# Altium PCB PCB1.PcbDoc
Units mil, origin at the board's own origin, x right, y up, seen from the top; angles counter-clockwise.
Board outline 3937.01 x 3937.01 mil, 2 copper layers (Top Layer, Bottom Layer); 17 components, 19 nets, 99 pads, 0 vias.
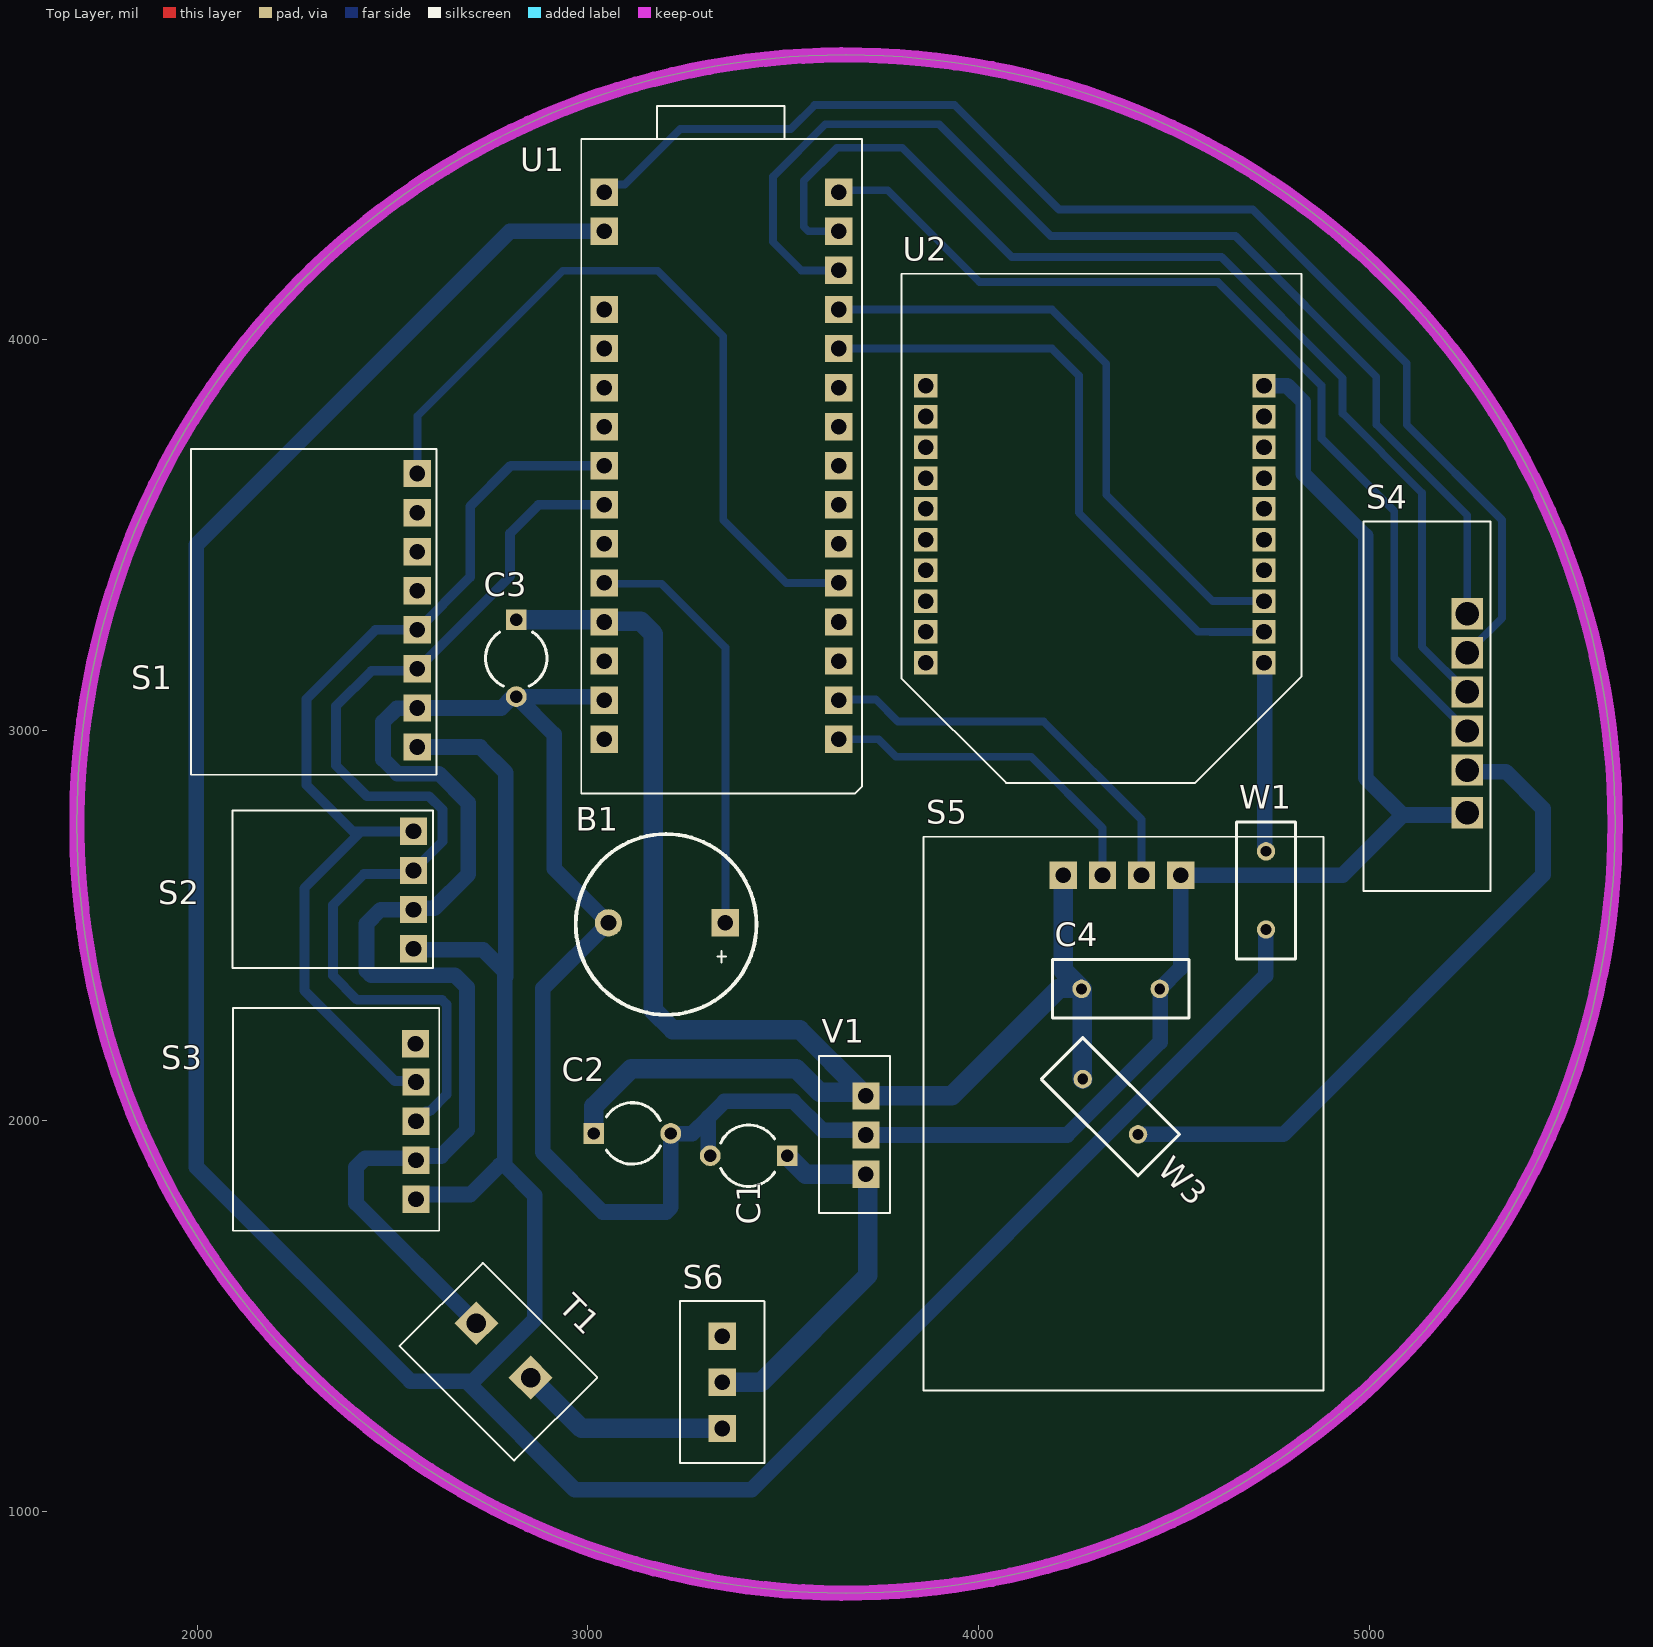
[diagram p0: Top Layer view]
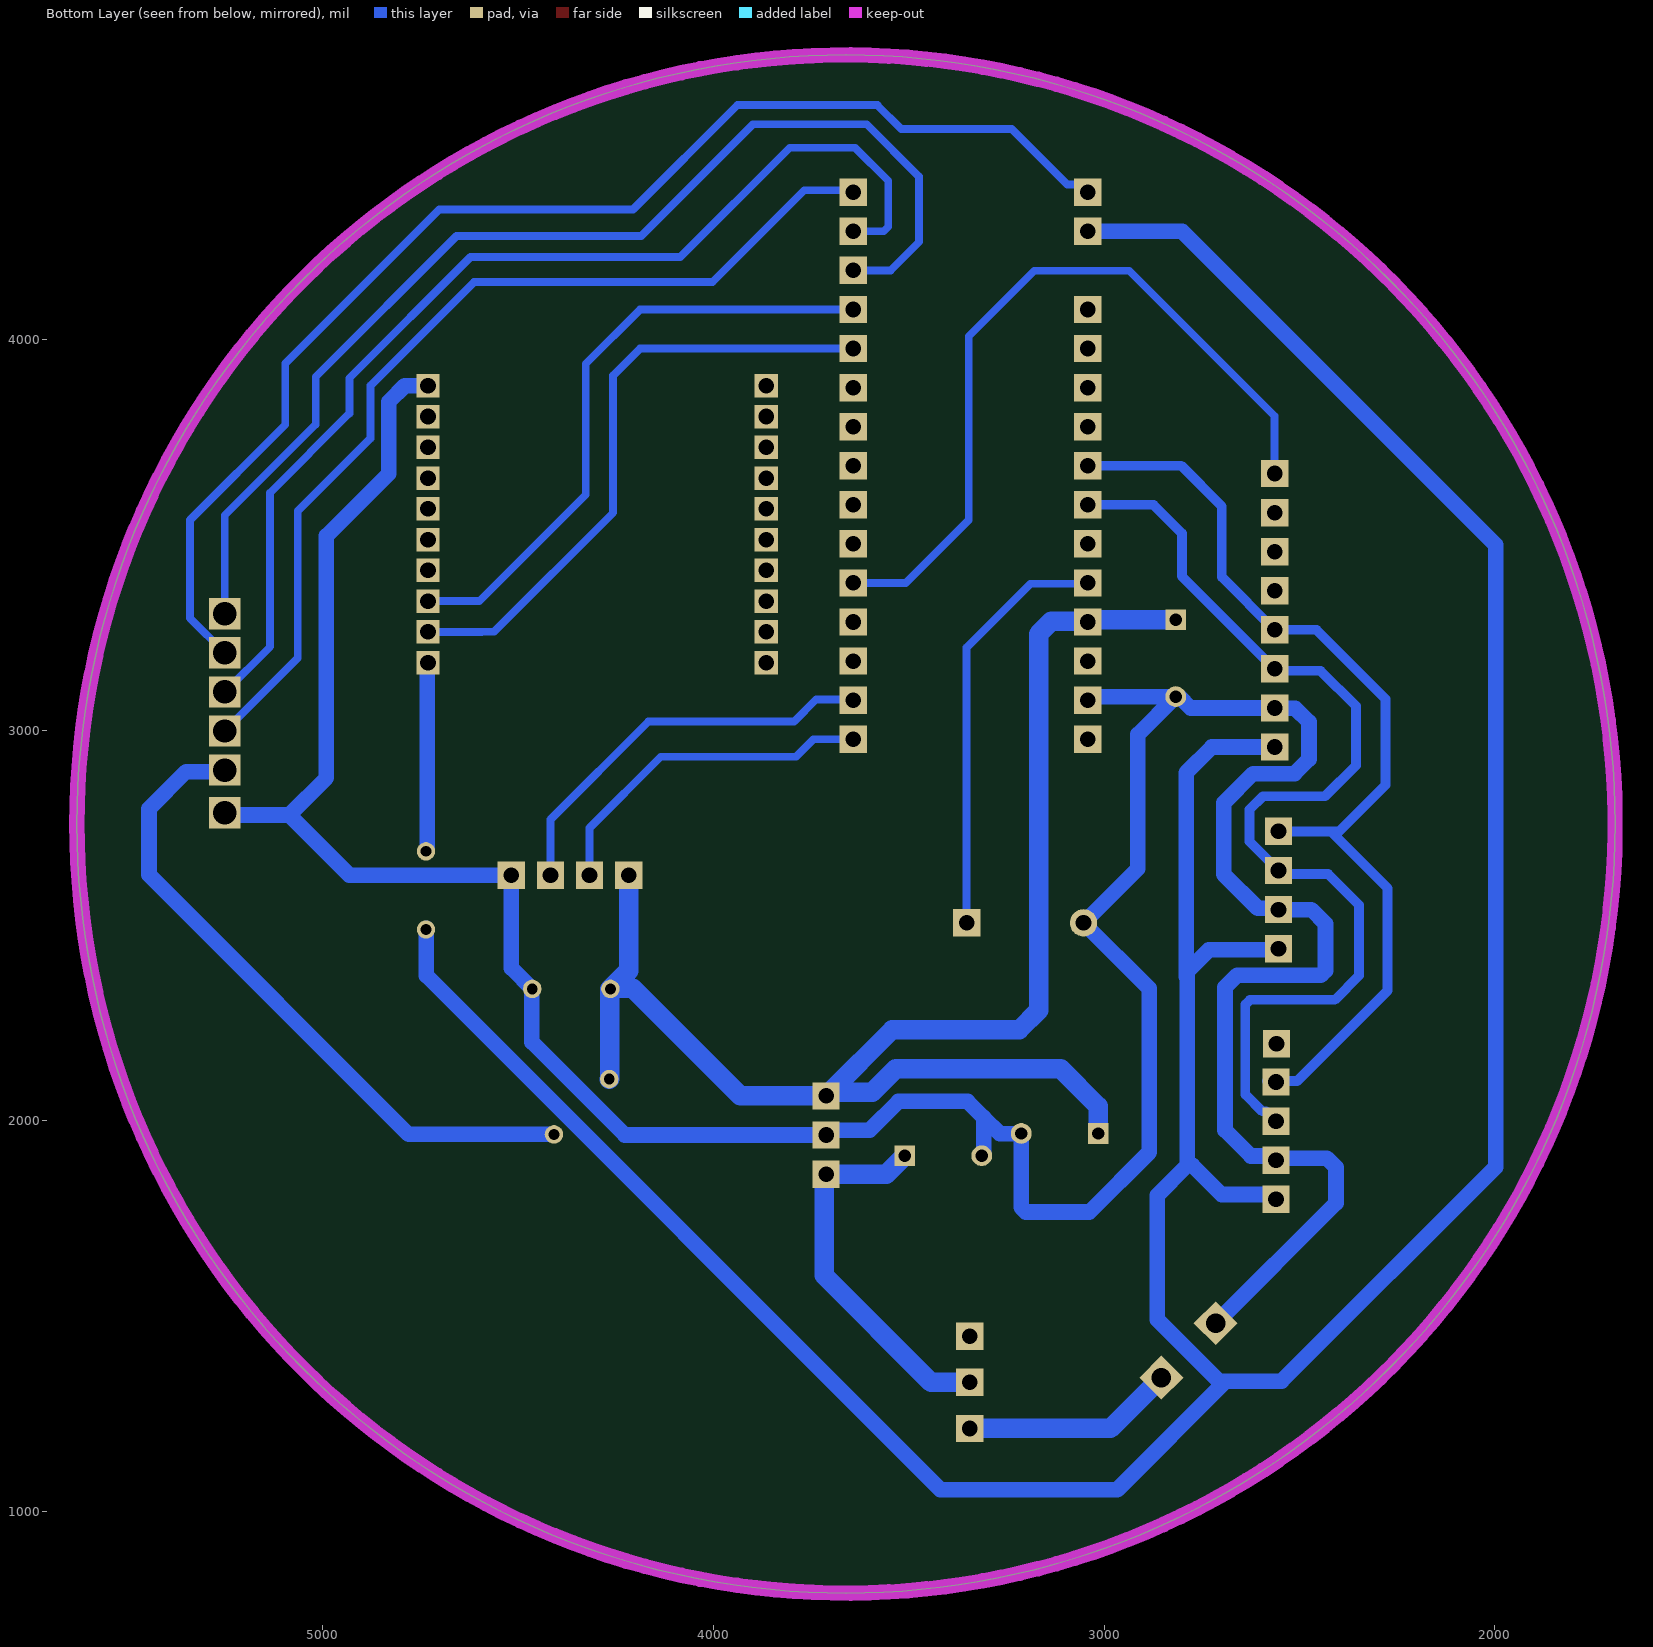
[diagram p1: Bottom Layer view, seen from below]

## Layer stack, top to bottom
Top Solder: solder mask 0.4, Solder Resist, Dk 3.5
Top Layer: signal copper 1.4
Dielectric 1: dielectric 12.6, FR-4, Dk 4.8
Bottom Layer: signal copper 1.4
Bottom Solder: solder mask 0.4, Solder Resist, Dk 3.5

## Board outline
1692.5,2760 ccw(c3661,2760) 3661,791.5 ccw(c3661,2760) 5629.5,2760 ccw(c3661,2760) 3661,4728.5 ccw(c3661,2760)

## Design rules (kind name [scope] priority, off if disabled: settings)
Clearance [All] p1: gap=10 ignorepadtopadclearanceinfootprint=FALSE except(0: Arc-THPad Arc-Hole Track-THPad Track-Hole SMDPad-Hole THPad-Hole Via-Hole Fill-Hole Poly-Hole Region-Hole Text-Hole)
Height [All] p1: minheight=0 maxheight=2000 prefheight=500
PolygonConnect [All] p1: connectstyle=Relief reliefconductorwidth=10 reliefentries=4 polygonreliefangle="90 Angle" airgapwidth=10
RoutingVias [All] p1: holewidth=28 width=50 viastyle="Through Hole" minholewidth=28 minwidth=50 maxholewidth=28 maxwidth=50
SolderMaskExpansion [All] p1: expansion=4 istentingtop=FALSE
Width [All] p1: maxlimit=50 minlimit=10 preferedwidth=20 minimp=50.000000 maximp=50.000000 favimp=50.000000
29 further rules are at their usual default settings.

## Components (designator, comment, footprint, x,y, rotation, side; value= is the part's Value field where it differs from the comment)
B1 "Buzzer" BUZZER 3352.21,2507.98 r180 top
C1 "Cap2" CAPR5-4X5 3412,1911 r180 top value=100pF
C2 "Cap2" CAPR5-4X5 3114,1968 r0 top value=100uF
C3 "Cap2" CAPR5-4X5 2817,3184.43 r270 top value=100pF
C4 "Cap" RAD-0.2 4364,2338 r0 top value=100pF
S1 "MPU6050" MPU6050 2558.59,3360.43 r270 top
S2 "BMP180" BMP180 2735,2420 r90 top
S3 "HMC5883L" HMC5883L 2504,1825 r180 top
S4 "SD Card Module" "SD CARD MODULE" 5249,3053 r0 top
S5 "GPS NEO M8N" "GPS NEO M8N" 4371,2503 r0 top
S6 "Switch" Switch 3344,1212.89 r90 top
T1 "Terminal Block 2 pin" "Terminal Block 2 pin" 2856.78,1344.39 r135 top
U1 "Arduino Nano" "ARDUINO NANO V3" 3330.39,4133.5 r0 top
U2 "Xbee Pro" Xbee 4106,3377 r180 top
V1 "LM7805" "LM7805 Voltage Regulator" 3712,1864 r90 top
W1 "Jumper" RAD-0.2 4736,2590 r90 top
W3 "Jumper" RAD-0.2 4337.71,2036.29 r315 top

## Footprints (in the part's own frame and the unit in brackets; to place one, negate y for a bottom-side part, rotate by r counter-clockwise, add the part's x,y. Pads: shape width x height; smd on the part's side, far side on the other; paste and mask are expansions set on the pad)
"ARDUINO NANO V3" [mil] "Arduino Nano v3"
  rect 70x70 hole 40: 1(-288.39,243.5) 2(-288.39,143.5) 4(-288.39,-56.5) 5(-288.39,-156.5) 6(-288.39,-256.5) 7(-288.39,-356.5) 8(-288.39,-456.5) 9(-288.39,-556.5) 10(-288.39,-656.5) 11(-288.39,-756.5) 12(-288.39,-856.5) 13(-288.39,-956.5) 14(-288.39,-1056.5) 15(-288.39,-1156.5) 16(311.61,-1156.5) 17(311.61,-1056.5) 18(311.61,-956.5) 19(311.61,-856.5) 20(311.61,-756.5) 21(311.61,-656.5) 22(311.61,-556.5) 23(311.61,-456.5) 24(311.61,-356.5) 25(311.61,-256.5) 26(311.61,-156.5) 27(311.61,-56.5) 28(311.61,43.5) 29(311.61,143.5) 30(311.61,243.5)
  rect 1x1 hole 1: 3(-288.39,6.5)
  silkscreen extent -347,-1295 371,464, body extent -347,-1305 360,464, height 850
BMP180 [mil] "BMP180 PCB"
  rect 70x70 hole 40: 1(21,181) 2(121,181) 3(221,181) 4(321,181)
  silkscreen extent -29,131 375,644, body extent -31,135 379,640, height 572
BUZZER [mil]
  rect 70x70 hole 40: 1(0,0.98)
  round 70 hole 40: 2(299.21,0.98)
  silkscreen extent -80,-226 383,236, body extent -81,-233 392,239, height 374
CAPR5-4X5 [mm] "Capacitor; 2 Leads"
  rect 1.35x1.35 hole 0.8: 1(-2.5,0)
  round 1.35 hole 0.8: 2(2.5,0)
  silkscreen extent -1.69,-2 1.82,2, body extent -2.64,-2.37 2.37,2.63, height 11.01
"GPS NEO M8N" [mil] "GPS NEO M8N"
  rect 70x70 hole 40: 1(-153.54,125.98) 2(-53.54,125.98) 3(46.46,125.98) 4(146.46,125.98)
  silkscreen extent -512,-1193 512,224, body extent -509,-1191 508,222, height 571
HMC5883L [mil]
  rect 70x70 hole 40: 1(-56.54,25.43) 2(-56.54,-74.57) 3(-56.54,-174.57) 4(-56.54,-274.57) 5(-55,-373)
  silkscreen extent -116,-464 412,106, body extent -116,-464 415,106, height 551
"LM7805 Voltage Regulator" [mil] "LM7805 5V Voltage Regulator DIP"
  rect 70x70 hole 40: 1(0,0) 2(100,0) 3(200,0)
  silkscreen extent -99,-62 302,120, body extent -99,-60 301,120, height 738
MPU6050 [mil] "Female Header 1x8"
  rect 70x70 hole 40: 1(-296.57,5.41) 2(-196.57,5.41) 3(-96.57,5.41) 4(3.43,5.41) 5(103.43,5.41) 6(203.43,5.41) 7(303.43,5.41) 8(403.43,5.41)
  silkscreen extent -359,-574 474,54, body extent -358,-572 473,53, height 549
RAD-0.2 [mm] "Radial Cap, Thru-Hole; 2 Leads; 0.2 in Pin Spacing"
  round 1.2 hole 0.7: 1(-2.54,0) 2(2.54,0)
  silkscreen extent -4.44,-1.91 4.44,1.91
"SD CARD MODULE" [mil]
  rect 80x80 hole 60: 1(2,-264) 2(2,-155) 3(2,-55) 4(2,45) 5(2,145) 6(2,245)
  silkscreen extent -263,-465 61,481, body extent -246,-468 51,477, height 1886
Switch [mil] "Slide Switch"
  rect 70x70 hole 40: 1(0,0) 2(118.11,0) 3(236.22,0)
  silkscreen extent -89,-108 326,108, body extent -89,-108 325,108, height 417
"Terminal Block 2 pin" [mil] "Terminal Block 2 pin (5mm)"
  rect 80x80 hole 50: 1(0.98,2.95) 2(197.83,2.95)
  silkscreen extent -119,-118 295,183, body extent -120,-117 297,182, height 394
Xbee [mil]
  rect 60x60 hole 40: 1(-624.84,204.04) 2(-624.84,125.3) 3(-624.84,46.56) 4(-624.84,-32.18) 5(-624.84,-110.92) 6(-624.84,-189.66) 7(-624.84,-268.4) 8(-624.84,-347.14) 9(-624.84,-425.88) 10(-624.84,-504.62) 11(241.3,-504.62) 12(241.3,-425.88) 13(241.3,-347.14) 14(241.3,-268.4) 15(241.3,-189.66) 16(241.3,-110.92) 17(241.3,-32.18) 18(241.3,46.56) 19(241.3,125.3) 20(241.3,204.04)
  silkscreen extent -720,-791 303,512, body extent -673,-790 287,507, height 689

## Part data
B1: "Buzzer audio"
C1 C2 C3 C4: "Capacitor", Publisher="Altium Limited"
  C1 C2 C3: PackageDescription="Capacitor; 2 Leads", PackageReference=CAPR5-4X5, Published=23-Sep-2002
  C4: LatestRevisionDate=17-Jul-2002, LatestRevisionNote="Re-released for DXP Platform.", PackageDescription="Radial Cap, Thru-Hole; 2 Leads; 0.3 in Pin Spacing", PackageReference=RAD-0.3, Published=8-Jun-2000
S1: "MPU6050 Gyro Sensor PCB"
S2: "BMP180 Pressure Sensor"
S3: "HMC58883L Digital Compass"
S6: "Slide Switch 4mm pitch"
T1: "Terminal Block 2 pin (5mm)"
U1: "Arduino Nano v3"
U2: "Xbee Pro 90HP"
V1: "LM7805 5V Voltage Regulator"
W1 W3: "Jumper Wire", LatestRevisionDate=17-Jul-2002, LatestRevisionNote="Re-released for DXP Platform.", PackageDescription="Radial Cap, Thru-Hole; 2 Leads; 0.2 in Pin Spacing", PackageReference=RAD-0.2, Published=24-Mar-1999, Publisher="Altium Limited"

## Nets (pads, with @x,y where several pads share a name; then routed paths per layer and width w, separated by ;. In a path a pad name is that pad's centre, name@x,y a point inside that pad or via, vN(x,y) a via of type N, cw(c..) or ccw(c..) an arc to the next point about the centre after c; other vN are vias at no path point)
+3V3: S1.8 S2.1 S3.1 U1.2 W1.1 | length 9174.1
  Bottom Layer w40: S2.1 2557,2438 2732,2438 2788,2382 2788,1886 ; S3.1 2572.61,1811.64 2699.64,1811.64 2774,1886 2788,1886 ; S1.8 2724.54,2957 2790,2891.54 2790,2369 ; U1.2 2801,4277 1998,3474 1998,1882 2546,1334 2689,1334 ; W1.1@4735,2493.35 4735,2372 3419,1056 2967,1056 2689,1334 ; 2689,1334 2707,1334 2864,1491 2864,1810 2788,1886
+5: C2.1 C3.1 C4.1 S5.1 U1.12 V1.3 W3.1 | length 4001.1
  Bottom Layer w50: C3.1 3036.15,3282.85 U1.12 3044,3279 3135,3279 3168,3246 3168,2283 3217.57,2233.43 3542.57,2233.43 V1.3@3703,2073 ; C2.1 3015.57,2037.57 3112,2134 3533,2134 3594,2073 V1.3@3703,2073 ; S5.1@4222,2624.44 S5.1 4217.46,2384.54 C4.1@4262,2340 ; W3.1 4265.5,2108.5 4265.5,2336.5 C4.1 C4.1@4262,2340 ; V1.3@3703,2073 V1.3 3931,2064 4207,2340 C4.1@4262,2340
GND: B1.2 C1.2 C2.2 C3.2 C4.2 S1.7 S2.2 S3.2 S4.1 S5.4 T1.2 U1.14 U2.10 V1.2 | length 9031.4
  Bottom Layer w40: T1.2 2407,1790 2407,1881.45 2430.43,1904.89 2560.54,1904.89 2565.85,1910.2 2624.77,1910.2 2691,1976.43 2691,2342 2660,2373 2445.49,2373 2433.78,2384.72 2433.78,2504.83 2469.95,2541 S2.2 2557.28,2544.28 2607.28,2544.28 2694,2631 2694,2814 2619,2889 2513,2889 2476,2926 2476,3021 2511,3056 2563,3056 S1.7 2779.03,3057 2808.03,3086 C3.2 ; U1.14 3033,3086 C3.2 ; C1.2 3308.75,1915.83 3308.75,2008.75 ; U2.10 4790.38,3881.62 4831,3841 4831,3657 4991,3497 4991,2878 5086,2783 ; S4.1 5245,2783 5086,2783 ; C3.2 2914,2989 2914,2646 B1.2 2885,2339 2885,1920 3038,1767 3200.71,1767 3212.43,1778.72 C2.2 3212.93,1967.5 3267.5,1967.5 3308.75,2008.75 ; 3308.75,2008.75 3350,2050 3527,2050 3601,1976 3700,1976 V1.2 4227,1964 4465,2202 4465,2337 C4.2 4517.46,2391.46 S5.4 4931.98,2628.98 5086,2783
NetB1_1: B1.1 U1.11 | length 1083.4
  Bottom Layer w20: U1.11 3044,3375 3189,3375 3352.21,3211.79 B1.1
NetC1_1: C1.1 S6.2 V1.1 | length 955.5
  Bottom Layer w50: S6.2 3443,1331 3717,1605 3717,1859 V1.1 3557.43,1864 C1.1@3519.71,1901.71
NetS1_1: S1.1 U1.20 | length 1985.4
  Bottom Layer w20: S1.1 2564,3804 2936,4176 3179,4176 3347,4008 3347,3538 3508,3377 U1.20
NetS1_5: S1.5 S2.4 S3.4 U1.8 | length 2529.1
  Bottom Layer w25: 2418,2739 2274.78,2595.78 2274.78,2333.22 2506,2102 S3.4@2584.35,2102 ; S2.4 2418,2741 2399,2741 2280,2860 2280,3080 2457,3257 S1.5 2699,3392 2699,3573 2803,3677 U1.8
NetS1_6: S1.6 S2.3 S3.3 U1.9 | length 2703.3
  Bottom Layer w25: S3.3 2585.54,2024.57 2595.57,2024.57 2639,2068 2639,2298.28 2627.28,2310 2410,2310 2348,2372 2348,2553 2427,2632 2545,2632 S2.3 2628,2715 2628,2797 2594,2831 2435,2831 2356,2910 2356,3062 2446,3152 2559,3152 S1.6 2801,3394 2801,3504 2874,3577 U1.9
NetS4_2: S4.2 W3.2 | length 1715.8
  Bottom Layer w40: W3.2 4780.58,1965.58 5445,2630 5445,2799 5350,2894 5255,2894 S4.2
NetS4_3: S4.3 U1.30 | length 2496.4
  Bottom Layer w20: U1.30@3651,4368 U1.30 3647,4382 3768,4382 4003,4147 4613,4147 4878,3882 4878,3747 5064,3561 5064,3185 S4.3
NetS4_4: S4.4 U1.29 | length 2804.9
  Bottom Layer w20: U1.29 3564.72,4277 3553,4288.72 3553,4406 3638,4491 3805,4491 4085,4211 4622,4211 4932,3901 4932,3811 5135,3608 5135,3214 S4.4
NetS4_5: S4.5 U1.1 | length 3299.1
  Bottom Layer w20: U1.1 3061.71,4396.71 3094.71,4396.71 3237,4539 3519.75,4539 3580.75,4600 3939,4600 4206,4333 4702,4333 5096.25,3938.75 5096.25,3781.75 5340,3538 5340,3287 S4.5
NetS4_6: S4.6 U1.28 | length 2936.7
  Bottom Layer w20: U1.28 3546.57,4177 3473.28,4250.28 3474,4251 3474,4417 3608,4551 3899,4551 4185,4265 4658,4265 5018.25,3904.75 5018.25,3782.75 5251,3550 S4.6
NetS5_2: S5.2 U1.16 | length 890.2
  Bottom Layer w20: U1.16 3744,2977 3789,2932 4135,2932 4317.46,2749.54 S5.2
NetS5_3: S5.3 U1.17 | length 1046.2
  Bottom Layer w20: U1.17 3644,3079 3737,3079 3794,3022 4167,3022 4417.46,2771.54 S5.3
NetS6_1: S6.1 T1.1 | length 543.9
  Bottom Layer w50: T1.1 2984.11,1212.89 S6.1
NetU1_26: U1.26 U2.2 | length 1594.9
  Bottom Layer w20: U1.26 4188,3977 4257,3908 4257,3557 4562,3252 4593,3252 4593.3,3251.7 U2.2
NetU1_27: U1.27 U2.3 | length 1594.3
  Bottom Layer w20: U1.27 4188,4077 4327,3938 4327,3603 4599.56,3330.44 U2.3
NetU2_1: U2.1 W1.2 | length 482.9
  Bottom Layer w40: U2.1 4733,3170.8 4733,2694.96 4734.61,2693.35 W1.2@4733.42,2692.15
pads on no net: S1.2 S1.3 S1.4 S3.5 S6.3 U1.3 U1.4 U1.5 U1.6 U1.7 U1.10 U1.13 U1.15 U1.18 U1.19 U1.21 U1.22 U1.23 U1.24 U1.25 U2.4 U2.5 U2.6 U2.7 U2.8 U2.9 U2.11 U2.12 U2.13 U2.14 U2.15 U2.16 U2.17 U2.18 U2.19 U2.20

## Keep-outs
Keep-Out Layer:
  circle w39.37: c3661,2760 r1968.5